# KiCad board processed.kicad_pcb (continued)
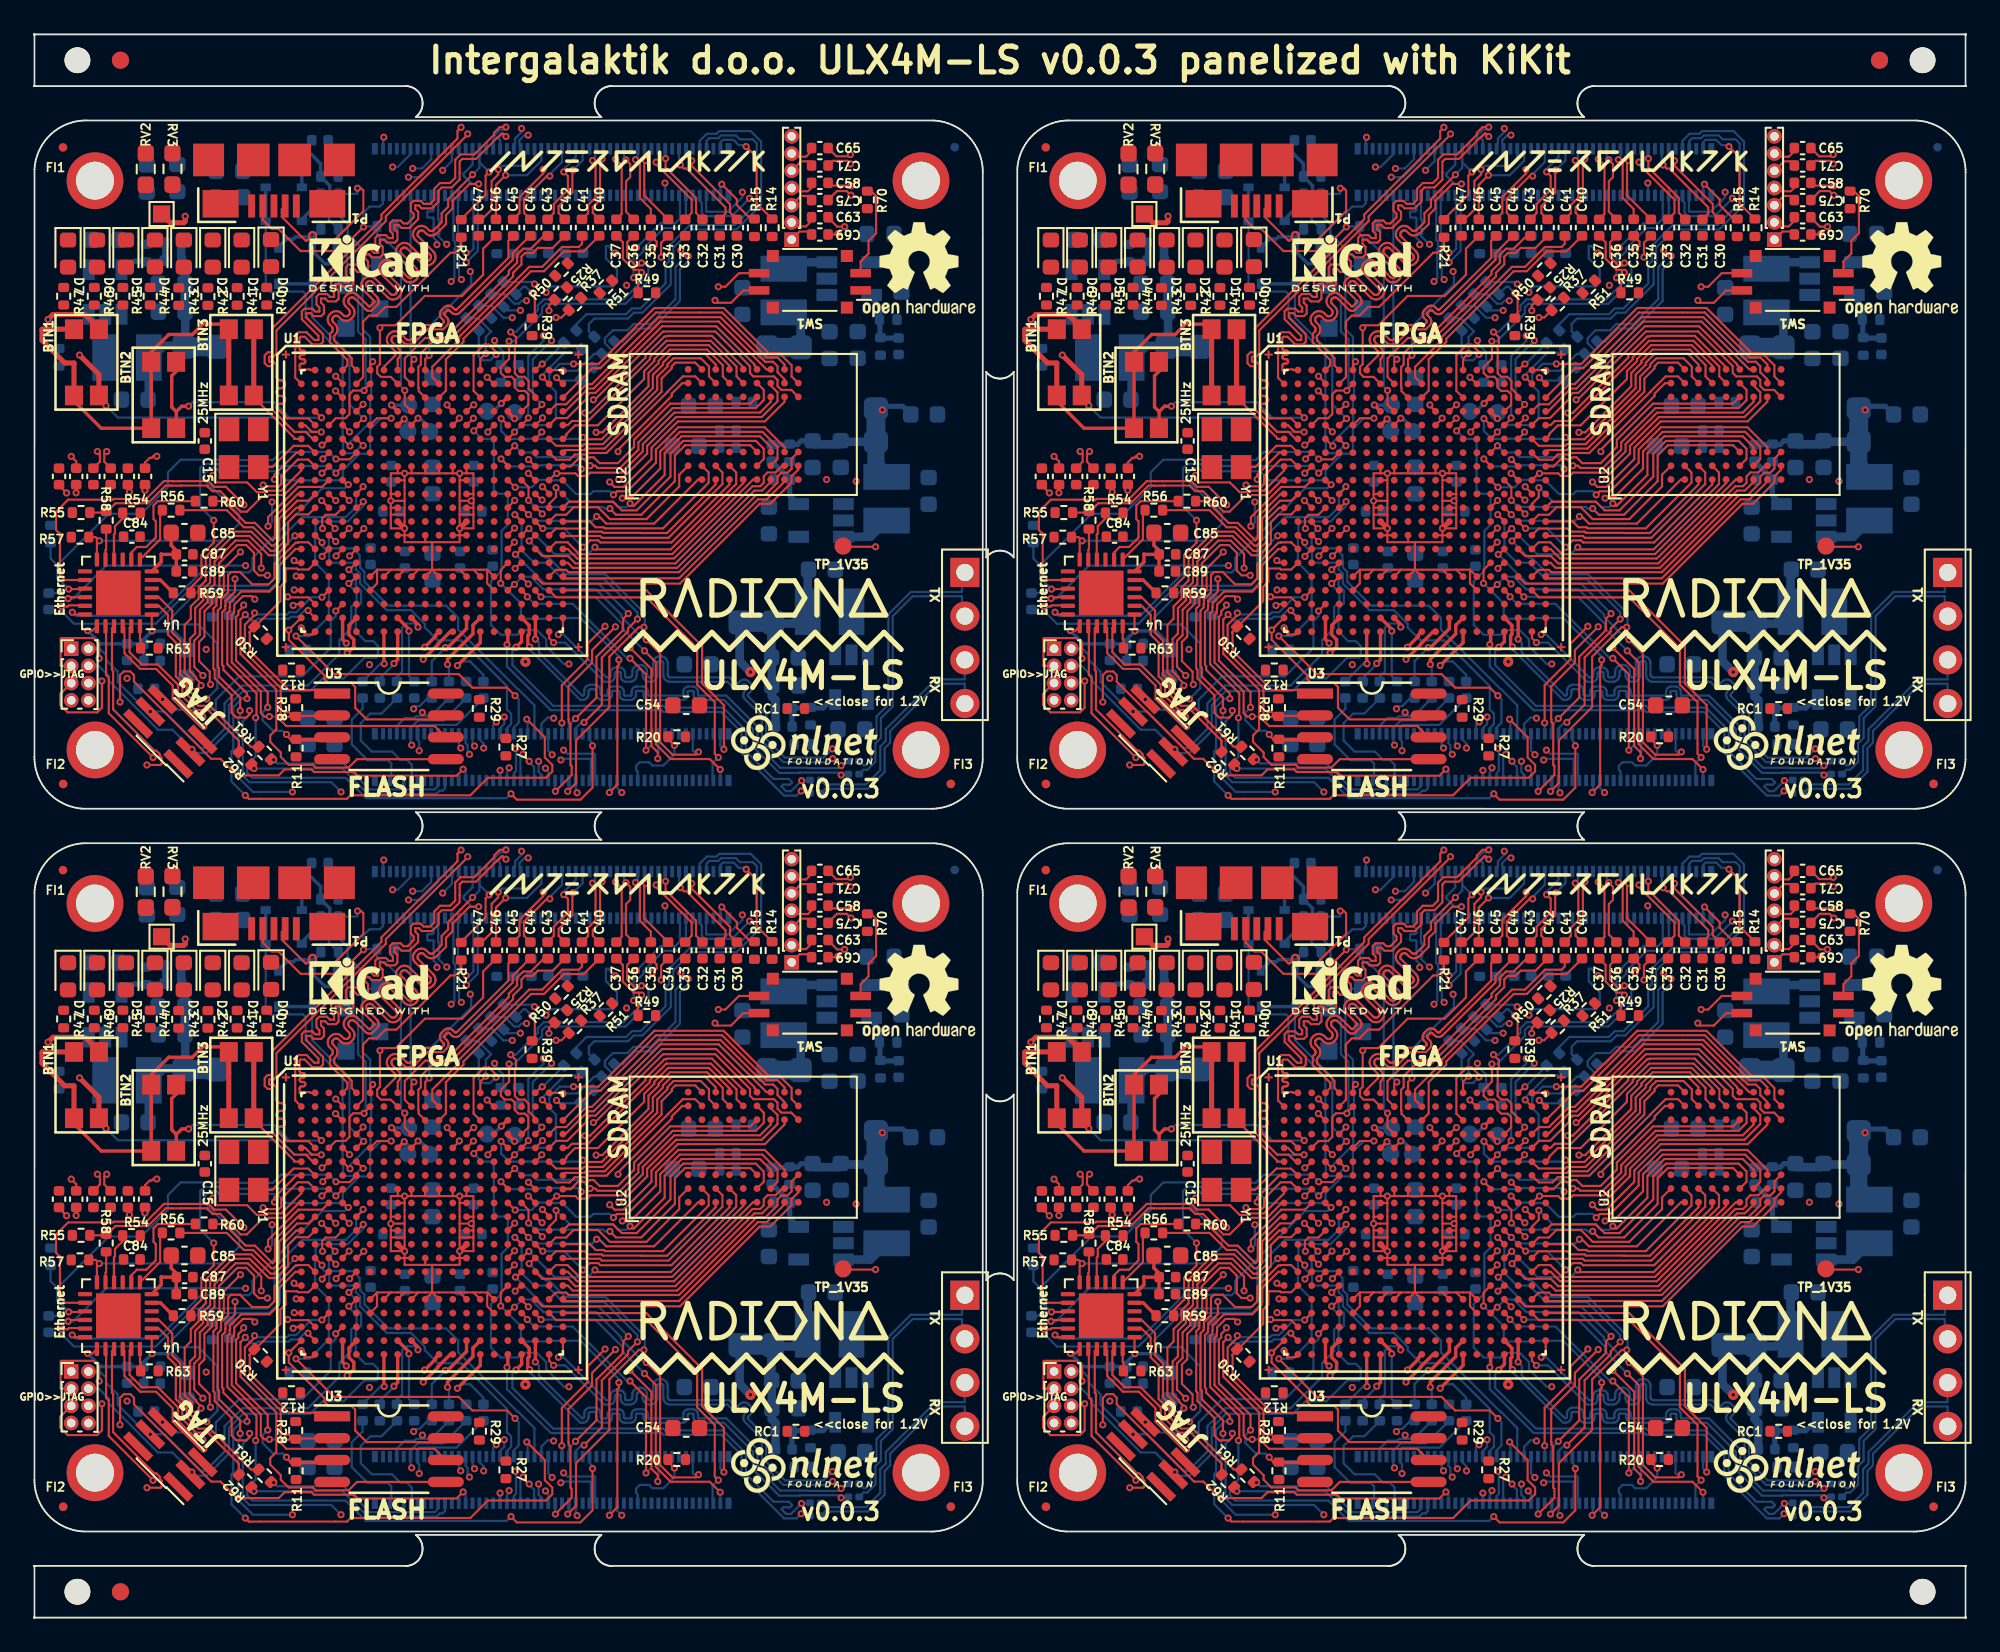
[diagram p0: board, top side]
## Routing (per net, layer and track width the routed paths; a pad name or vN(x,y) marks a point on that pad's centre or on a via; arc(x,y) is an arc through that point) (continued)
  Bottom w0.127: v1(86.22,14.86) 86.43,14.65 86.43,14.09 88.94,11.58 88.96,11.58 88.99,11.59 89.01,11.6 89.03,11.62 89.05,11.65 89.06,11.67 89.06,11.7 89.06,11.85 89.07,11.93 89.09,12 89.14,12.07 89.19,12.13 89.26,12.17 89.34,12.2 89.41,12.2 89.66,12.2 89.74,12.2 89.81,12.17 89.88,12.13 89.94,12.07 89.98,12 90,11.93 90.01,11.85 90.01,11.7 90.02,11.67 90.03,11.65 90.04,11.62 90.06,11.6 90.08,11.59 90.11,11.58 90.14,11.58 90.34,11.58 90.35,11.58 90.37,11.59 90.38,11.59 90.39,11.61 90.4,11.62 90.41,11.63 90.41,11.65 90.41,11.8 90.42,11.87 90.44,11.93 90.48,11.99 90.53,12.04 90.58,12.07 90.65,12.1 90.72,12.1 91.06,12.1 91.12,12.1 91.19,12.07 91.25,12.04 91.3,11.99 91.33,11.93 91.36,11.87 91.36,11.8 91.36,11.65 91.37,11.63 91.37,11.62 91.38,11.61 91.39,11.59 91.4,11.59 91.42,11.58 91.44,11.58 91.74,11.58 91.75,11.58 91.77,11.59 91.78,11.59 91.79,11.61 91.8,11.62 91.81,11.63 91.81,11.65 91.81,11.8 91.82,11.87 91.84,11.93 91.88,11.99 91.93,12.04 91.98,12.07 92.05,12.1 92.12,12.1 92.46,12.1 92.52,12.1 92.59,12.07 92.65,12.04 92.7,11.99 92.73,11.93 92.76,11.87 92.76,11.8 92.76,11.65 92.77,11.63 92.77,11.62 92.78,11.61 92.79,11.59 92.8,11.59 92.82,11.58 92.84,11.58 94.74,11.58 94.76,11.58 94.77,11.59 94.79,11.59 94.8,11.61 94.81,11.62 94.81,11.63 94.82,11.65 94.82,11.8 94.82,11.87 94.85,11.93 94.88,11.99 94.93,12.04 94.99,12.07 95.06,12.1 95.12,12.1 95.36,12.1 95.43,12.1 95.5,12.07 95.55,12.04 95.6,11.99 95.64,11.93 95.66,11.87 95.67,11.8 95.67,11.65 95.67,11.63 95.68,11.62 95.69,11.61 95.7,11.59 95.71,11.59 95.73,11.58 95.74,11.58 97.32,11.58 99.13,9.77 99.13,8.71 100.45,7.38 102.04,7.38 102.06,7.36 103.84,7.36 v1(103.99,7.51) 104.26,7.77 C91#4.2
Board_3-/serdes/S_7_P: length 70.9
  Top w0.127: C58#4.2 103.39,41.21 104.56,41.21 v1(104.57,41.21)
  Top w0.2: U1#4.W17 85.86,15.66 85.86,15.14 85.78,15.07 85.78,14.52 v1(85.89,14.41)
  In2.Cu w0.127: v1(104.57,41.21) 104.73,41.04 105.18,41.04 107.54,38.69 107.6,38.61 107.64,38.53 107.66,38.44 107.66,38.35 107.64,38.26 107.6,38.17 107.54,38.1 107.14,37.7 107.12,37.68 107.1,37.64 107.09,37.61 107.09,37.57 107.1,37.54 107.12,37.5 107.14,37.47 107.17,37.45 107.2,37.44 107.24,37.43 107.27,37.43 107.31,37.44 107.34,37.45 107.37,37.47 107.77,37.87 107.84,37.93 107.92,37.97 108.01,37.99 108.11,37.99 108.2,37.97 108.28,37.93 108.35,37.87 110.84,35.38 110.84,24.43 110.13,23.71 110.13,21.55 107.86,19.29 107.86,11.73 105.6,9.47 105.6,7.72 104.95,7.07 104.1,7.07 v1(103.99,6.96)
  Bottom w0.127: C92#4.2 104.04,7.01 v1(103.99,6.96) 103.84,7.11 101.59,7.11 101.56,7.08 100.39,7.08 98.87,8.61 98.87,9.63 97.18,11.32 95.72,11.32 95.66,11.33 95.59,11.35 95.53,11.39 95.48,11.44 95.45,11.5 95.42,11.56 95.42,11.63 95.42,11.78 95.41,11.79 95.41,11.81 95.4,11.82 95.39,11.84 95.37,11.84 95.36,11.85 95.34,11.85 95.14,11.85 95.13,11.85 95.11,11.84 95.1,11.84 95.09,11.82 95.08,11.81 95.07,11.79 95.07,11.78 95.07,11.63 95.06,11.56 95.04,11.5 95,11.44 94.95,11.39 94.9,11.35 94.83,11.33 94.76,11.32 92.82,11.32 92.75,11.33 92.68,11.35 92.63,11.39 92.58,11.44 92.54,11.5 92.52,11.56 92.51,11.63 92.51,11.78 92.51,11.79 92.5,11.81 92.49,11.82 92.48,11.84 92.47,11.84 92.45,11.85 92.44,11.85 92.14,11.85 92.12,11.85 92.1,11.84 92.09,11.84 92.08,11.82 92.07,11.81 92.07,11.79 92.06,11.78 92.06,11.63 92.06,11.56 92.03,11.5 92,11.44 91.95,11.39 91.89,11.35 91.82,11.33 91.76,11.32 91.42,11.32 91.35,11.33 91.28,11.35 91.23,11.39 91.18,11.44 91.14,11.5 91.12,11.56 91.11,11.63 91.11,11.78 91.11,11.79 91.1,11.81 91.09,11.82 91.08,11.84 91.07,11.84 91.05,11.85 91.04,11.85 90.74,11.85 90.72,11.85 90.7,11.84 90.69,11.84 90.68,11.82 90.67,11.81 90.67,11.79 90.66,11.78 90.66,11.63 90.66,11.56 90.63,11.5 90.6,11.44 90.55,11.39 90.49,11.35 90.42,11.33 90.36,11.32 90.11,11.32 90.04,11.33 89.96,11.36 89.89,11.4 89.84,11.46 89.79,11.53 89.77,11.6 89.76,11.68 89.76,11.83 89.76,11.86 89.75,11.88 89.73,11.9 89.71,11.92 89.69,11.94 89.66,11.95 89.64,11.95 89.44,11.95 89.41,11.95 89.38,11.94 89.36,11.92 89.34,11.9 89.33,11.88 89.32,11.86 89.31,11.83 89.31,11.68 89.3,11.6 89.28,11.53 89.24,11.46 89.18,11.4 89.11,11.36 89.04,11.33 88.96,11.32 88.83,11.32 85.89,14.26 v1(85.89,14.41)
Board_3-BTN1: length 25.5
  Top w0.127: v1(61.27,28.42) 61.27,28.61 BTN1#3.2 ; v1(73.78,26.89) 73.77,26.9 73.23,26.9 72.84,27.29 U1#4.E1
  Top w0.3: BTN1#3.2 60.86,32.91 60.05,33.72 58.19,33.72 v1(57.9,33.43) ; v1(59.73,31.36) 60.86,30.23 BTN1#3.2
  In2.Cu w0.3: v1(59.73,31.36) 58.14,31.36 57.61,31.89 57.61,33.14 v1(57.9,33.43)
  Bottom w0.127: v1(61.27,28.42) 61.96,27.73 71.37,27.73 72.21,26.89 v1(73.78,26.89)
Board_3-BTN2: length 13.6
  Top w0.127: U1#4.D2 v1(73.79,27.72)
  Top w0.2: BTN2#4.2 65.36,27.13 65.36,28.08 ; 65.36,28.08 65.09,28.34 65.09,30.16 65.35,30.42 BTN2#4.2 ; 65.36,28.08 65.67,28.39 v1(66.07,28.39)
  Bottom w0.127: v1(66.07,28.39) 66.3,28.63 71.03,28.63 71.93,27.72 v1(73.79,27.72)
Board_3-BTN3: length 7.8
  Top w0.127: U1#4.F1 72.21,26.49 72.21,26.55 69.86,28.91 BTN3#4.2
  Top w0.3: BTN3#4.2 BTN3#4.2
Board_3-CAM0_C_N: length 31.9
  Top w0.127: v1(82.29,44.22) 82.29,44.18 77.53,39.43 77.53,39.16 71.17,32.8 71.17,31.45 71,31.27 70.77,31.27 70.75,31.25 70.75,31 70.77,30.98 71,30.98 71.17,30.8 71.17,30.13 71.18,30.07 71.2,30.03 71.22,29.98 71.26,29.95 71.3,29.92 71.35,29.9 71.4,29.9 71.45,29.9 71.5,29.89 71.55,29.88 71.59,29.85 71.62,29.81 71.65,29.77 71.67,29.72 71.67,29.67 71.67,29.62 71.65,29.57 71.62,29.53 71.59,29.49 71.55,29.47 71.5,29.45 71.45,29.44 71.4,29.44 71.35,29.44 71.3,29.42 71.26,29.39 71.22,29.36 71.2,29.32 71.18,29.27 71.17,29.22 71.18,29.17 71.2,29.12 71.22,29.08 71.26,29.04 71.3,29.01 71.35,29 71.4,28.99 71.45,28.99 71.5,28.98 71.55,28.97 71.59,28.94 71.62,28.9 71.65,28.86 71.67,28.81 71.67,28.76 71.67,28.71 71.65,28.66 71.62,28.62 71.59,28.59 71.55,28.56 71.5,28.54 71.45,28.54 71.4,28.54 71.35,28.53 71.3,28.51 71.26,28.49 71.22,28.45 71.2,28.41 71.18,28.36 71.17,28.31 71.8,27.69 73.03,27.69 U1#4.E2
  In2.Cu w0.127: v1(82.29,44.22) 82.08,44.22 81.64,43.77 81.64,43.58 81.86,43.35 83.34,43.35 83.34,43.36 83.37,43.35 84.44,43.35 85.42,44.33 v1(85.42,44.53)
  Bottom w0.127: v1(85.42,44.53) 85.42,44.33 85.04,43.95 85.04,43.64 84.97,43.57 J2#4.40
Board_3-CAM0_C_P: length 32.3
  Top w0.127: v1(81.9,44.6) 81.69,44.39 81.69,43.95 77.28,39.53 77.28,39.26 70.92,32.91 70.92,31.55 70.9,31.53 70.66,31.53 70.49,31.35 70.49,30.9 70.66,30.72 70.9,30.72 70.92,30.7 70.92,28.2 72.22,26.9 72.87,26.9 73.28,26.49 U1#4.F2
  In2.Cu w0.127: v1(85.8,44.15) 85.6,44.15 84.55,43.1 81.76,43.1 81.38,43.47 81.38,43.88 81.9,44.4 v1(81.9,44.6)
  Bottom w0.127: v1(85.8,44.15) 85.6,44.15 85.3,43.85 85.3,43.64 85.37,43.57 J2#4.42
Board_3-CAM0_D0_N: length 32.1
  Top w0.127: v1(82.93,41.31) 82.4,41.31 81.41,40.32 81.41,39.88 81.03,39.5 81.03,38.98 80.48,38.44 80.41,38.38 80.32,38.33 80.22,38.31 80.12,38.31 80.03,38.33 79.94,38.38 79.86,38.44 79.75,38.55 79.71,38.58 79.67,38.6 79.62,38.61 79.58,38.61 79.53,38.6 79.49,38.58 79.45,38.55 79.44,38.53 79.41,38.5 79.39,38.45 79.38,38.41 79.38,38.32 79.39,38.29 79.4,38.27 80.29,37.39 80.29,37.38 80.35,37.3 80.39,37.21 80.42,37.11 80.42,37.01 80.39,36.92 80.35,36.82 80.29,36.75 80.25,36.71 80.17,36.64 80.08,36.6 79.98,36.58 79.88,36.58 79.78,36.6 79.69,36.64 79.61,36.71 78.76,37.56 78.72,37.59 78.68,37.61 78.63,37.62 78.59,37.62 78.54,37.61 78.5,37.59 78.46,37.56 78.45,37.55 78.42,37.51 78.4,37.46 78.39,37.42 78.39,37.37 78.4,37.32 79.3,36.42 79.3,36.39 79.36,36.31 79.4,36.22 79.43,36.12 79.43,36.02 79.4,35.93 79.36,35.83 79.3,35.76 79.26,35.72 79.18,35.65 79.09,35.61 78.99,35.59 78.89,35.59 78.79,35.61 78.7,35.65 78.62,35.72 77.77,36.57 77.73,36.6 77.69,36.62 77.64,36.63 77.6,36.63 77.55,36.62 77.51,36.6 77.47,36.57 77.46,36.56 77.43,36.52 77.41,36.47 77.4,36.43 77.4,36.38 77.41,36.33 77.43,36.29 78.31,35.41 78.31,35.4 78.37,35.32 78.41,35.23 78.44,35.13 78.44,35.03 78.41,34.94 78.37,34.84 78.31,34.77 78.27,34.73 78.19,34.66 78.1,34.62 78,34.6 77.9,34.6 77.8,34.62 77.71,34.66 77.63,34.73 76.75,35.61 76.71,35.64 76.67,35.66 76.62,35.67 76.57,35.67 76.52,35.66 76.48,35.64 76.44,35.61 76.41,35.57 76.38,35.52 76.37,35.47 76.37,35.42 76.38,35.38 77.03,34.73 77.03,34.69 77.08,34.64 77.11,34.58 77.12,34.52 77.12,34.45 77.11,34.38 77.08,34.32 77.03,34.27 76.78,34.02 76.73,33.98 76.67,33.95 76.61,33.93 76.54,33.93 76.47,33.95 76.41,33.98 76.36,34.02 75.73,34.65 75.69,34.68 75.64,34.71 75.6,34.72 75.55,34.72 75.5,34.71 75.45,34.68 75.41,34.65 75.38,34.61 75.36,34.57 75.35,34.52 75.35,34.47 75.36,34.42 75.38,34.38 75.41,34.34 75.58,34.17 75.64,34.09 75.69,34 75.71,33.9 75.71,33.8 75.69,33.7 75.64,33.61 75.58,33.53 75.53,33.48 75.45,33.42 75.36,33.38 75.27,33.36 75.17,33.36 75.07,33.38 74.98,33.42 74.9,33.48 74.8,33.59 74.76,33.62 74.71,33.64 74.67,33.65 74.62,33.65 74.57,33.64 74.53,33.62 74.49,33.59 74.48,33.58 74.45,33.54 74.43,33.5 74.42,33.45 74.42,33.4 74.43,33.36 74.45,33.31 74.48,33.28 74.59,33.17 74.65,33.09 74.69,33 74.72,32.91 74.72,32.81 74.69,32.71 74.65,32.62 74.59,32.54 74.54,32.49 74.54,32.2 75.55,31.19 75.55,30.77 U1#4.A5
  Bottom w0.127: J2#4.28 82.57,42.43 82.05,41.91 82.05,41.79 82.52,41.31 v1(82.93,41.31)
Board_3-CAM0_D0_P: length 36.1
  Top w0.127: R21#4.1 81.91,39.26 83.33,40.68 83.33,41.79 v1(83.54,42) ; U1#4.A4 75.29,30.77 75.29,31.08 74.28,32.09 74.28,32.6 74.39,32.7 74.42,32.74 74.44,32.79 74.45,32.83 74.45,32.88 74.44,32.93 74.42,32.97 74.39,33.01 74.28,33.12 74.22,33.19 74.18,33.28 74.15,33.38 74.15,33.48 74.18,33.57 74.22,33.66 74.28,33.74 74.33,33.79 74.41,33.85 74.5,33.89 74.59,33.92 74.69,33.92 74.79,33.89 74.88,33.85 74.96,33.79 75.06,33.68 75.1,33.65 75.15,33.63 75.19,33.62 75.24,33.62 75.29,33.63 75.33,33.65 75.37,33.68 75.38,33.69 75.41,33.73 75.43,33.78 75.44,33.83 75.44,33.88 75.43,33.93 75.41,33.97 75.38,34.01 75.21,34.18 75.15,34.26 75.11,34.35 75.08,34.44 75.08,34.55 75.11,34.64 75.15,34.73 75.21,34.81 75.25,34.85 75.33,34.91 75.42,34.96 75.52,34.98 75.62,34.98 75.72,34.96 75.81,34.91 75.89,34.85 76.53,34.21 76.54,34.2 76.55,34.2 76.56,34.19 76.58,34.19 76.59,34.2 76.61,34.2 76.62,34.21 76.84,34.44 76.85,34.45 76.86,34.46 76.86,34.48 76.86,34.49 76.86,34.5 76.85,34.52 76.84,34.53 76.24,35.13 76.18,35.21 76.13,35.3 76.11,35.4 76.11,35.5 76.13,35.6 76.18,35.69 76.24,35.77 76.28,35.81 76.36,35.87 76.45,35.91 76.55,35.93 76.65,35.93 76.74,35.91 76.83,35.87 76.91,35.81 77.79,34.93 77.83,34.9 77.88,34.87 77.93,34.86 77.98,34.86 78.02,34.87 78.07,34.9 78.11,34.93 78.14,34.97 78.16,35.01 78.17,35.06 78.17,35.11 78.16,35.16 78.14,35.2 78.11,35.24 77.26,36.09 77.2,36.17 77.15,36.26 77.13,36.35 77.13,36.45 77.15,36.55 77.2,36.64 77.26,36.72 77.31,36.77 77.39,36.83 77.48,36.87 77.57,36.89 77.67,36.89 77.77,36.87 77.86,36.83 77.93,36.77 78.78,35.92 78.82,35.89 78.87,35.86 78.92,35.85 78.97,35.85 79.01,35.86 79.06,35.89 79.1,35.92 79.13,35.96 79.15,36 79.16,36.05 79.16,36.1 79.15,36.15 79.13,36.19 79.1,36.23 78.25,37.08 78.19,37.16 78.14,37.25 78.12,37.34 78.12,37.44 78.14,37.54 78.19,37.63 78.25,37.71 78.3,37.76 78.38,37.82 78.47,37.86 78.56,37.88 78.66,37.88 78.76,37.86 78.85,37.82 78.92,37.76 79.77,36.91 79.81,36.88 79.86,36.85 79.91,36.84 79.96,36.84 80,36.85 80.05,36.88 80.09,36.91 80.12,36.95 80.14,36.99 80.15,37.04 80.15,37.09 80.14,37.14 80.12,37.18 80.09,37.22 79.24,38.07 79.18,38.15 79.13,38.24 79.11,38.33 79.11,38.43 79.13,38.53 79.18,38.62 79.24,38.7 79.29,38.75 79.37,38.81 79.46,38.85 79.55,38.87 79.65,38.87 79.75,38.85 79.84,38.81 79.91,38.75 80.02,38.64 80.06,38.61 80.1,38.59 80.15,38.58 80.2,38.58 80.24,38.59 80.29,38.61 80.32,38.64 80.77,39.09 80.77,39.61 81.15,39.99 81.15,40.43 81.87,41.14 81.87,41.15 v1(82.57,41.85)
  Bottom w0.127: v1(82.57,41.85) 82.97,42.25 J2#4.30 82.97,42.57 v1(83.54,42)
Board_3-CAM0_D1_N: length 32
  Top w0.127: v1(84.51,44.61) 84.15,44.61 83.82,44.29 83.82,44.17 82.77,43.12 82.67,43.02 81.87,43.02 81.56,42.72 81.56,41.67 81.26,41.36 80.68,41.36 80.34,41.03 80.34,40.39 80.11,40.16 79.93,40.16 79.93,40.16 79.73,40.16 79.56,40.33 79.14,40.33 78.98,40.17 78.98,39.75 79.15,39.58 79.15,39.37 78.79,39.02 78.55,39.02 78.38,39.19 77.93,39.19 77.77,39.03 77.77,38.57 77.94,38.4 77.94,38.17 77.94,38.16 77.7,38.16 77.53,38.33 77.07,38.33 76.92,38.18 76.92,37.72 77.09,37.55 77.09,37.31 77.08,37.31 76.85,37.31 76.68,37.48 76.22,37.48 76.06,37.32 76.06,36.87 76.23,36.7 76.23,36.46 76.23,36.45 75.99,36.45 75.82,36.62 75.37,36.62 75.21,36.47 75.21,36.01 75.38,35.84 75.38,35.6 75.38,35.6 75.14,35.6 74.97,35.77 74.51,35.77 74.35,35.61 74.35,35.16 74.52,34.99 74.52,34.75 74.52,34.75 74.28,34.75 74.11,34.92 73.66,34.92 73.5,34.76 73.5,34.3 73.67,34.13 73.67,33.89 73.43,33.89 73.26,34.06 72.81,34.06 72.65,33.91 72.65,33.45 73.62,32.48 73.62,32.24 73.38,32.24 72.93,32.69 72.47,32.69 72.27,32.49 72.27,30.05 U1#4.B1
  Bottom w0.127: v1(84.51,44.61) 84.36,44.47 84.17,44.47 83.84,44.14 83.84,43.92 83.77,43.85 J2#4.34
Board_3-CAM0_D1_P: length 32
  Top w0.127: U1#4.A2 73.16,30.49 73.12,30.53 72.79,30.53 72.71,30.45 72.57,30.45 72.52,30.5 72.52,30.74 72.52,30.77 72.53,30.8 72.55,30.82 72.57,30.84 72.59,30.86 72.62,30.87 72.65,30.87 72.72,30.87 72.75,30.88 72.78,30.88 72.8,30.9 72.82,30.92 72.84,30.94 72.85,30.97 72.85,31 72.85,31.03 72.84,31.05 72.82,31.08 72.8,31.1 72.78,31.11 72.75,31.12 72.72,31.13 72.65,31.13 72.62,31.13 72.59,31.14 72.57,31.15 72.55,31.17 72.53,31.2 72.52,31.22 72.52,31.25 72.52,31.28 72.53,31.31 72.55,31.33 72.57,31.35 72.59,31.37 72.62,31.38 72.65,31.38 72.72,31.38 72.75,31.38 72.78,31.39 72.8,31.41 72.82,31.43 72.84,31.45 72.85,31.48 72.85,31.51 72.85,31.54 72.84,31.56 72.82,31.59 72.8,31.61 72.78,31.62 72.75,31.63 72.72,31.63 72.65,31.63 72.62,31.64 72.59,31.65 72.57,31.66 72.55,31.68 72.53,31.71 72.52,31.73 72.52,31.76 72.52,32.37 72.58,32.43 72.82,32.43 73.27,31.98 73.73,31.98 73.88,32.13 73.88,32.59 72.91,33.56 72.91,33.8 72.91,33.8 73.15,33.8 73.32,33.63 73.78,33.63 73.93,33.79 73.93,34.24 73.76,34.41 73.76,34.65 73.77,34.65 74,34.65 74.17,34.48 74.63,34.48 74.79,34.64 74.79,35.1 74.62,35.27 74.62,35.5 74.62,35.51 74.86,35.51 75.03,35.34 75.48,35.34 75.64,35.49 75.64,35.95 75.47,36.12 75.47,36.36 75.47,36.36 75.71,36.36 75.88,36.19 76.34,36.19 76.49,36.35 76.49,36.8 76.33,36.97 76.33,37.21 76.33,37.22 76.57,37.22 76.74,37.05 77.19,37.05 77.35,37.2 77.35,37.66 77.18,37.83 77.18,38.07 77.18,38.07 77.42,38.07 77.59,37.9 78.05,37.9 78.2,38.06 78.2,38.51 78.03,38.68 78.03,38.92 78.04,38.92 78.28,38.92 78.44,38.75 78.9,38.75 79.41,39.27 79.41,39.69 79.24,39.86 79.24,40.06 79.25,40.06 79.45,40.06 79.62,39.89 80.21,39.89 80.6,40.28 80.6,40.92 80.78,41.1 81.36,41.1 81.82,41.56 81.82,41.97 81.82,41.97 81.82,42.61 81.97,42.76 82.77,42.76 84,44 84.01,44 84.25,44.23 84.34,44.23 v1(84.51,44.07)
  Bottom w0.127: J2#4.36 84.17,43.85 84.1,43.92 84.1,44.03 84.28,44.21 84.36,44.21 v1(84.51,44.07)
Board_3-CAM1_C_N: length 20.3
  Top w0.127: v1(73.82,26.14) 73.86,26.14 U1#4.F3
  In2.Cu w0.127: v1(73.82,26.14) 73.82,26.26 74.2,26.63 74.2,27.49 74.21,27.5 74.21,27.51 74.21,27.52 74.21,27.54 74.21,27.55 74.21,27.56 74.19,27.57 74.19,27.58 74.19,27.59 74.19,27.61 74.19,27.62 74.19,27.63 74.2,27.64 74.31,27.74 74.32,27.75 74.33,27.76 74.34,27.76 74.35,27.76 74.36,27.76 74.37,27.75 74.39,27.74 74.4,27.73 74.41,27.73 74.42,27.73 74.43,27.73 74.44,27.74 74.45,27.74 74.56,27.85 74.57,27.86 74.57,27.87 74.57,27.88 74.57,27.89 74.57,27.91 74.57,27.92 74.55,27.93 74.55,27.94 74.54,27.95 74.54,27.97 74.55,27.98 74.55,27.99 74.56,27.99 74.67,28.1 74.68,28.11 74.69,28.12 74.7,28.12 74.71,28.12 74.72,28.12 74.73,28.11 74.75,28.1 74.76,28.09 74.77,28.09 74.78,28.09 74.79,28.09 74.8,28.1 74.81,28.1 75.33,28.62 75.32,28.65 75.31,28.68 75.3,28.7 75.28,28.72 75.25,28.73 75.23,28.74 75.2,28.75 75.01,28.75 74.98,28.75 74.95,28.76 74.93,28.77 74.91,28.8 74.89,28.82 74.88,28.85 74.88,28.87 74.88,28.9 74.89,28.93 74.91,28.95 74.93,28.97 74.95,28.99 74.98,29 75.01,29 75.2,29 75.23,29 75.25,29.01 75.28,29.03 75.3,29.05 75.31,29.07 75.32,29.1 75.33,29.13 75.33,29.62 76.29,30.58 76.96,30.58 79.38,33 79.38,34.78 81.9,37.31 v1(82.2,37.31)
  Bottom w0.127: J2#4.27 82.62,40.59 82.62,37.54 82.38,37.31 v1(82.2,37.31)
Board_3-CAM1_C_P: length 20.3
  Top w0.127: U1#4.G3 73.87,25.34 v1(73.87,25.33)
  In2.Cu w0.127: v1(82.21,36.75) 81.72,36.75 79.63,34.66 79.63,32.9 77.06,30.33 76.39,30.33 75.6,29.53 75.6,28.53 74.46,27.39 74.46,26.53 74.24,26.31 74.24,25.7 v1(73.87,25.33)
  Bottom w0.127: v1(82.21,36.75) 82.88,37.42 82.88,40.55 J2#4.29
Board_3-CAM1_D0_N: length 19.3
  Top w0.127: v1(74.62,30.14) 75.02,29.74 U1#4.B4
  In2.Cu w0.127: v1(74.62,30.14) 74.97,30.14 75.51,30.68 75.53,30.72 75.55,30.76 75.56,30.8 75.56,30.84 75.55,30.88 75.53,30.92 75.51,30.96 75.29,31.17 75.23,31.25 75.19,31.34 75.17,31.43 75.17,31.53 75.19,31.62 75.23,31.71 75.29,31.78 75.33,31.82 75.4,31.88 75.49,31.92 75.58,31.94 75.68,31.94 75.77,31.92 75.86,31.88 75.93,31.82 76.15,31.6 76.19,31.57 76.22,31.56 76.27,31.55 76.31,31.55 76.35,31.56 76.39,31.57 76.43,31.6 76.5,31.67 76.53,31.67 77.62,32.76 77.68,32.81 77.74,32.84 77.81,32.85 77.88,32.85 77.95,32.84 78.01,32.81 78.06,32.76 78.17,32.66 78.18,32.65 78.19,32.64 78.21,32.64 78.23,32.64 78.24,32.64 78.25,32.65 78.27,32.66 78.37,32.76 78.38,32.77 78.39,32.79 78.39,32.8 78.39,32.82 78.39,32.83 78.38,32.85 78.37,32.86 78.27,32.97 78.22,33.02 78.19,33.08 78.18,33.15 78.18,33.22 78.19,33.29 78.22,33.35 78.27,33.41 78.28,33.42 78.28,33.42 78.28,34.65 78.96,35.33 78.98,35.35 79,35.38 79.01,35.42 79.01,35.45 79,35.48 78.98,35.51 78.96,35.53 78.75,35.75 78.7,35.82 78.66,35.89 78.64,35.98 78.64,36.06 78.66,36.15 78.7,36.22 78.75,36.29 78.78,36.32 78.85,36.38 78.93,36.41 79.01,36.43 79.1,36.43 79.18,36.41 79.26,36.38 79.32,36.32 79.54,36.11 79.56,36.09 79.59,36.07 79.62,36.07 79.66,36.07 79.69,36.07 79.72,36.09 79.74,36.11 79.76,36.13 79.78,36.16 79.78,36.19 79.78,36.23 79.78,36.26 79.76,36.29 79.74,36.31 79.53,36.53 79.47,36.59 79.44,36.67 79.42,36.75 79.42,36.84 79.44,36.92 79.47,37 79.53,37.07 79.56,37.1 79.63,37.15 79.7,37.19 79.79,37.21 79.87,37.21 79.96,37.19 80.03,37.15 80.1,37.1 80.32,36.88 80.34,36.86 80.37,36.85 80.4,36.84 80.43,36.84 80.47,36.85 80.49,36.86 80.52,36.88 80.85,37.21 80.85,37.43 v1(80.5,37.78)
  Bottom w0.127: J2#4.15 80.17,40.15 80.31,40.01 80.31,39.78 80.24,39.71 79.98,39.71 79.94,39.67 79.94,39.4 79.99,39.35 80.27,39.35 80.31,39.31 80.31,38.17 80.5,37.98 v1(80.5,37.78)
Board_3-CAM1_D0_P: length 20.4
  Top w0.127: v1(74.61,29.28) 75,28.89 U1#4.C4
  In2.Cu w0.127: v1(74.61,29.28) 74.82,29.49 74.82,29.63 75.69,30.5 75.71,30.52 75.77,30.59 75.81,30.68 75.83,30.77 75.83,30.87 75.81,30.96 75.77,31.05 75.71,31.12 75.49,31.34 75.47,31.37 75.45,31.41 75.44,31.46 75.44,31.5 75.45,31.54 75.47,31.58 75.49,31.62 75.53,31.64 75.57,31.66 75.61,31.67 75.65,31.67 75.69,31.66 75.73,31.64 75.77,31.62 75.99,31.4 76.06,31.34 76.15,31.3 76.24,31.27 76.34,31.27 76.43,31.3 76.52,31.34 76.59,31.4 76.61,31.42 76.61,31.42 76.65,31.42 77.79,32.56 77.81,32.57 77.82,32.58 77.83,32.58 77.85,32.58 77.87,32.58 77.88,32.57 77.89,32.56 78,32.46 78.05,32.41 78.11,32.38 78.18,32.37 78.25,32.37 78.32,32.38 78.38,32.41 78.44,32.46 78.57,32.59 78.61,32.65 78.65,32.71 78.66,32.78 78.66,32.85 78.65,32.91 78.61,32.98 78.57,33.03 78.47,33.14 78.46,33.15 78.45,33.16 78.45,33.18 78.45,33.19 78.45,33.21 78.46,33.22 78.47,33.24 78.54,33.31 78.54,33.94 78.54,33.97 78.55,34 78.56,34.02 78.58,34.04 78.61,34.05 78.64,34.06 78.66,34.07 78.96,34.07 78.99,34.07 79.02,34.08 79.04,34.09 79.06,34.11 79.07,34.14 79.08,34.17 79.09,34.19 79.08,34.22 79.07,34.25 79.06,34.27 79.04,34.29 79.02,34.31 78.99,34.32 78.96,34.32 78.66,34.32 78.64,34.32 78.61,34.33 78.58,34.35 78.56,34.37 78.55,34.39 78.54,34.42 78.54,34.45 78.54,34.53 79.17,35.16 79.22,35.23 79.26,35.31 79.28,35.39 79.28,35.47 79.26,35.56 79.22,35.63 79.17,35.7 78.95,35.92 78.93,35.94 78.92,35.97 78.91,36 78.91,36.03 78.92,36.07 78.93,36.1 78.95,36.12 78.98,36.14 79.01,36.15 79.04,36.16 79.07,36.16 79.1,36.15 79.13,36.14 79.15,36.12 79.37,35.91 79.44,35.85 79.51,35.82 79.6,35.8 79.68,35.8 79.77,35.82 79.84,35.85 79.91,35.91 79.94,35.94 80,36.01 80.03,36.08 80.05,36.17 80.05,36.25 80.03,36.34 80,36.41 79.94,36.48 79.73,36.69 79.71,36.72 79.69,36.75 79.69,36.78 79.69,36.81 79.69,36.84 79.71,36.87 79.73,36.9 79.75,36.92 79.78,36.93 79.81,36.94 79.85,36.94 79.88,36.93 79.91,36.92 79.93,36.9 80.15,36.68 80.21,36.63 80.29,36.59 80.38,36.57 80.46,36.57 80.54,36.59 80.62,36.63 80.69,36.68 81.16,37.16 81.16,37.71 v1(81.07,37.8)
  Bottom w0.127: v1(81.07,37.8) 81.05,37.8 80.57,38.29 80.57,38.32 80.58,38.34 80.6,38.37 80.62,38.39 80.64,38.4 80.64,38.56 80.64,38.68 80.62,38.7 80.6,38.72 80.58,38.74 80.57,38.77 80.57,38.79 80.57,38.82 80.58,38.85 80.6,38.87 80.62,38.89 80.64,38.91 80.64,39.05 80.64,39.19 80.62,39.2 80.6,39.22 80.58,39.25 80.57,39.27 80.57,39.3 80.57,39.69 80.57,39.72 80.58,39.74 80.57,39.75 80.57,40.17 80.57,40.2 J2#4.17
Board_3-CAM1_D1_N: length 19.5
  Top w0.127: U1#4.D5 75.82,28.11 v1(76.21,28.5)
  In2.Cu w0.127: v1(76.21,28.5) 76.21,28.62 76.73,29.14 76.74,29.16 76.75,29.17 76.75,29.19 76.75,29.2 76.75,29.22 76.74,29.23 76.72,29.26 76.71,29.27 76.71,29.29 76.71,29.3 76.71,29.32 76.72,29.33 76.73,29.34 76.81,29.42 76.82,29.43 76.84,29.44 76.85,29.44 76.87,29.44 76.88,29.44 76.9,29.43 76.92,29.41 76.94,29.41 76.95,29.4 76.97,29.4 76.98,29.41 77,29.41 77.01,29.42 77.09,29.5 77.11,29.52 77.12,29.55 77.12,29.58 77.12,29.61 77.12,29.63 77.11,29.66 77.09,29.68 76.92,29.85 76.9,29.87 76.89,29.9 76.88,29.93 76.88,29.95 76.89,29.98 76.9,30.01 76.92,30.03 76.94,30.05 76.97,30.06 77,30.07 77.02,30.07 77.05,30.06 77.08,30.05 77.1,30.03 77.27,29.86 77.29,29.84 77.32,29.83 77.34,29.83 77.37,29.83 77.4,29.83 77.43,29.84 77.45,29.86 77.47,29.88 77.48,29.91 77.48,29.94 77.48,29.97 77.48,29.99 77.47,30.02 77.45,30.04 77.42,30.07 77.4,30.09 77.39,30.12 77.38,30.14 77.38,30.17 77.39,30.2 77.4,30.23 77.42,30.25 77.44,30.27 77.47,30.28 77.5,30.28 77.52,30.28 77.55,30.28 77.58,30.27 77.6,30.25 77.63,30.22 77.65,30.2 77.68,30.19 77.7,30.18 77.73,30.18 77.76,30.19 77.78,30.2 77.81,30.22 78.32,30.73 78.32,31.23 79.94,32.85 80.22,33.13 80.23,33.15 80.24,33.17 80.25,33.2 80.25,33.22 80.24,33.25 80.23,33.27 80.22,33.29 80.11,33.4 80.06,33.46 80.03,33.53 80.01,33.61 80.01,33.69 80.03,33.77 80.06,33.84 80.11,33.9 80.16,33.95 80.22,34 80.29,34.03 80.37,34.05 80.45,34.05 80.52,34.03 80.59,34 80.66,33.95 81.2,33.4 81.22,33.38 81.25,33.37 81.27,33.37 81.3,33.37 81.32,33.37 81.35,33.38 81.37,33.4 81.38,33.42 81.4,33.44 81.41,33.46 81.42,33.49 81.42,33.51 81.41,33.54 81.4,33.56 81.38,33.58 81.12,33.85 81.12,33.85 80.84,34.13 80.79,34.19 80.76,34.26 80.74,34.34 80.74,34.42 80.76,34.5 80.79,34.57 80.84,34.63 80.89,34.68 80.95,34.73 81.02,34.76 81.1,34.78 81.18,34.78 81.25,34.76 81.32,34.73 81.39,34.68 81.49,34.57 81.51,34.55 81.54,34.54 81.56,34.54 81.59,34.54 81.61,34.54 81.64,34.55 81.66,34.57 81.66,34.57 81.66,35.31 v1(81.33,35.64)
  Bottom w0.127: J2#4.21 81.46,40.55 81.46,38.04 81.56,37.94 81.56,37.57 81.52,37.52 81.52,35.83 v1(81.33,35.64)
Board_3-CAM1_D1_P: length 20.5
  Top w0.127: v1(75.42,26.9) 75.03,27.29 U1#4.E4
  In2.Cu w0.127: v1(75.42,26.9) 75.83,27.31 75.83,28.02 75.88,28.07 76.34,28.07 76.38,28.11 76.63,28.11 76.63,28.66 78.58,30.61 78.58,31.13 80.12,32.67 80.4,32.95 80.42,32.96 80.47,33.02 80.5,33.09 80.52,33.17 80.52,33.25 80.5,33.33 80.47,33.4 80.42,33.46 80.31,33.57 80.29,33.59 80.28,33.61 80.28,33.64 80.28,33.66 80.28,33.69 80.29,33.71 80.31,33.73 80.32,33.75 80.34,33.77 80.37,33.78 80.39,33.78 80.42,33.78 80.44,33.78 80.47,33.77 80.49,33.75 81.04,33.2 81.1,33.15 81.17,33.12 81.25,33.1 81.33,33.1 81.4,33.12 81.47,33.15 81.54,33.2 81.58,33.25 81.63,33.31 81.67,33.38 81.68,33.46 81.68,33.54 81.67,33.62 81.63,33.69 81.58,33.75 81.3,34.03 81.3,34.03 81.04,34.3 81.02,34.32 81.01,34.34 81.01,34.37 81.01,34.39 81.01,34.42 81.02,34.44 81.04,34.46 81.05,34.48 81.07,34.49 81.1,34.51 81.12,34.51 81.15,34.51 81.17,34.51 81.2,34.49 81.22,34.48 81.33,34.37 81.39,34.32 81.46,34.29 81.54,34.27 81.62,34.27 81.69,34.29 81.76,34.32 81.83,34.37 81.84,34.39 81.84,34.39 81.92,34.47 v1(81.92,35.75)
  Bottom w0.127: v1(81.92,35.75) 81.78,35.89 81.78,37.41 81.82,37.45 81.82,38.05 81.72,38.15 81.72,40.6 J2#4.23
Board_3-Camera_GPIO: length 18.4
  Top w0.127: v1(96.85,7.99) 96.64,8.2 96.64,11.19 95.62,12.22 95.62,14.33 92.67,17.29 87.43,17.29 U1#4.U19
  Bottom w0.127: J1#4.97 96.52,6.69 96.52,7.65 v1(96.85,7.99)
Board_3-CLK_25MHz: length 4
  Top w0.127: Y1#3.3 70.93,24.85 72.17,26.09 73.02,26.09 U1#4.G2
Board_3-CM4_1.8V: length 0.4
  Bottom w0.127: J1#4.88 J1#4.90
Board_3-DSI0_C_N: length 15.6
  Top w0.127: R39#4.1 86.19,33.67 86.19,34.81 v1(86.02,34.97)
  In2.Cu w0.127: v1(86.02,34.97) 86.21,34.97 86.67,35.42 v1(91.52,35.42)
  In3.Cu w0.127: v1(92.09,37.6) 91.53,37.04 91.53,35.43 v1(91.52,35.42)
  Bottom w0.127: J2#4.87 94.62,40.59 94.62,39.29 94.35,39.02 93.51,39.02 v1(92.09,37.6) ; v1(86.02,34.97) 85.65,35.34 85.53,35.34 R38#4.2
Board_3-DSI0_C_P: length 16.9
  Top w0.127: R49#4.1 92.19,35.6 v1(91.93,35.86)
  In2.Cu w0.127: v1(91.93,35.86) 91.64,35.86 89.88,37.61 88.28,37.61 v1(86.17,35.5)
  Bottom w0.127: J2#4.89 94.97,39.26 94.45,38.74 93.68,38.74 92.5,37.56 92.5,37.4 92.49,37.4 92.26,37.17 91.93,37.17 v1(91.93,35.86) ; v1(86.17,35.5) 86.05,35.62 R26#4.1
Board_3-DSI0_D1_P: length 25.7
  In2.Cu w0.127: v1(83.85,32.21) 83.85,32.84 84.55,33.54 v1(84.88,33.54) 85.59,33.54 86.85,34.8 v1(86.85,35.01) ; v1(93.75,41.36) 93.75,40.89 93.11,40.89 92.09,41.9 91.25,41.9 89.93,40.58 89.93,38.23 v1(90.87,37.29)
  Bottom w0.127: R24#4.1 83.68,34.22 84.36,33.54 v1(84.88,33.54) ; v1(86.85,35.01) 86.85,35.08 87.12,35.35 90.72,35.35 90.96,35.59 90.96,36.34 90.32,36.98 90.32,37.7 90.46,37.7 v1(90.87,37.29) ; v1(93.75,41.36) 93.77,41.35 J2#4.83 ; R52#4.1 84.36,30.94 84.36,31.55 83.85,32.06 v1(83.85,32.21)
Board_3-DSI1_D2_N: length 21.5
  In2.Cu w0.127: v1(94.67,37.46) 94.88,37.67 97.8,37.67 98.86,38.72 98.86,40.28 v1(98.67,40.47)
  Bottom w0.127: v1(94.67,37.46) 94.67,36.79 94.36,36.48 94.36,34.62 92.91,33.16 91.92,33.16 91.56,32.8 90.72,32.8 90.26,32.34 90.26,32.06 90.64,31.67 90.64,31.26 90.02,30.65 R34#4.2 ; v1(98.67,40.47) 97.64,39.44 96.07,39.44 95.89,39.62 95.89,40.21 95.77,40.33 J2#4.93
Board_3-DSI1_D2_P: length 19.1
  In2.Cu w0.127: v1(95.1,37.12) 95.39,37.4 97.9,37.4 99.11,38.62 99.11,40.75 98.82,41.04 98.46,41.04 v1(98.25,40.83)
  Bottom w0.127: R22#4.1 91.28,32.16 92.03,32.9 93.01,32.9 94.62,34.51 94.62,36.34 95.1,36.83 v1(95.1,37.12) ; J2#4.95 96.14,40.62 96.14,39.73 96.18,39.7 97.41,39.7 98.25,40.54 v1(98.25,40.83)
Board_3-DSI1_D3_N: length 23.1
  Bottom w0.127: R35#4.2 89.33,32.75 89.33,33.17 89.64,33.49 91.6,33.49 91.94,33.83 92.44,33.83 94.09,35.47 94.09,36.56 94.24,36.71 94.24,37.6 95.3,38.66 97.91,38.66 99.34,40.1 99.34,43.77 98.73,44.38 96.91,44.38 96.75,44.22 96.18,44.22 95.77,43.81 J2#4.94
Board_3-DSI1_D3_P: length 22.1
  Bottom w0.127: R23#4.1 88.6,33.15 89.19,33.74 91.5,33.74 91.84,34.08 92.34,34.08 93.78,35.53 93.78,36.62 93.98,36.82 93.98,37.71 95.19,38.92 97.8,38.92 99.09,40.2 99.09,43.67 98.86,43.9 98.11,43.9 97.88,44.13 97.01,44.13 96.85,43.97 96.33,43.97 96.17,43.81 J2#4.96
Board_3-ETH_0N: length 30.1
  Top w0.127: U4#4.20 61.27,15.57 61.27,12.77 61.43,12.62 61.43,10.55 v1(64,7.98)
  In2.Cu w0.127: v1(64,7.98) 64.75,7.98 65.34,7.39 66.03,7.39 66.64,8 70.15,8 70.76,7.39 71.12,7.39 71.54,7.8 72.06,7.8 72.37,8.11 78.44,8.11 v1(79.03,8.7)
  Bottom w0.127: v1(79.03,8.7) 78.97,8.77 J1#4.10 78.97,9.7 79.4,10.13 80.89,10.13 C70#4.2
Board_3-ETH_0P: length 33.2
  Top w0.127: U4#4.21 61.62,15.48 61.62,13.07 61.68,13 61.68,10.77 64.08,8.38 64.2,8.38 64.4,8.18 64.4,8.06 64.5,7.96 64.5,7.61 64.43,7.55 v1(63.65,7.55)
  In2.Cu w0.127: v1(79.47,8.37) 78.95,7.86 72.47,7.86 72.16,7.55 71.64,7.55 71.23,7.13 70.65,7.13 70.04,7.74 66.75,7.74 66.14,7.13 65.23,7.13 64.79,7.58 63.68,7.58 v1(63.65,7.55)
  Bottom w0.127: v1(79.47,8.37) 79.47,8.91 79.37,9.01 J1#4.12 79.37,9.74 79.5,9.88 81.64,9.88 C64#4.1
Board_3-ETH_1N: length 27.5
  Top w0.127: U4#4.22 62.34,15.51 62.34,14.04 63.25,13.13 64.18,13.13 65.15,12.16 65.15,11.39 66.75,9.79 v1(66.95,9.79)
  In2.Cu w0.127: v1(79.65,10.6) 78.26,9.21 72.91,9.21 72.31,8.61 71.67,8.61 71.31,8.25 71.06,8.25 70.31,9 67.74,9 v1(66.95,9.79)
  Bottom w0.127: 80.15,10.38 79.29,10.38 79.19,10.28 78.64,10.28 78.17,9.81 J1#4.6 ; 80.15,10.38 79.87,10.38 v1(79.65,10.6) ; 80.15,10.38 C74#4.2
